# Altium PCB BB.PcbDoc (part 5 of 5) (continued)
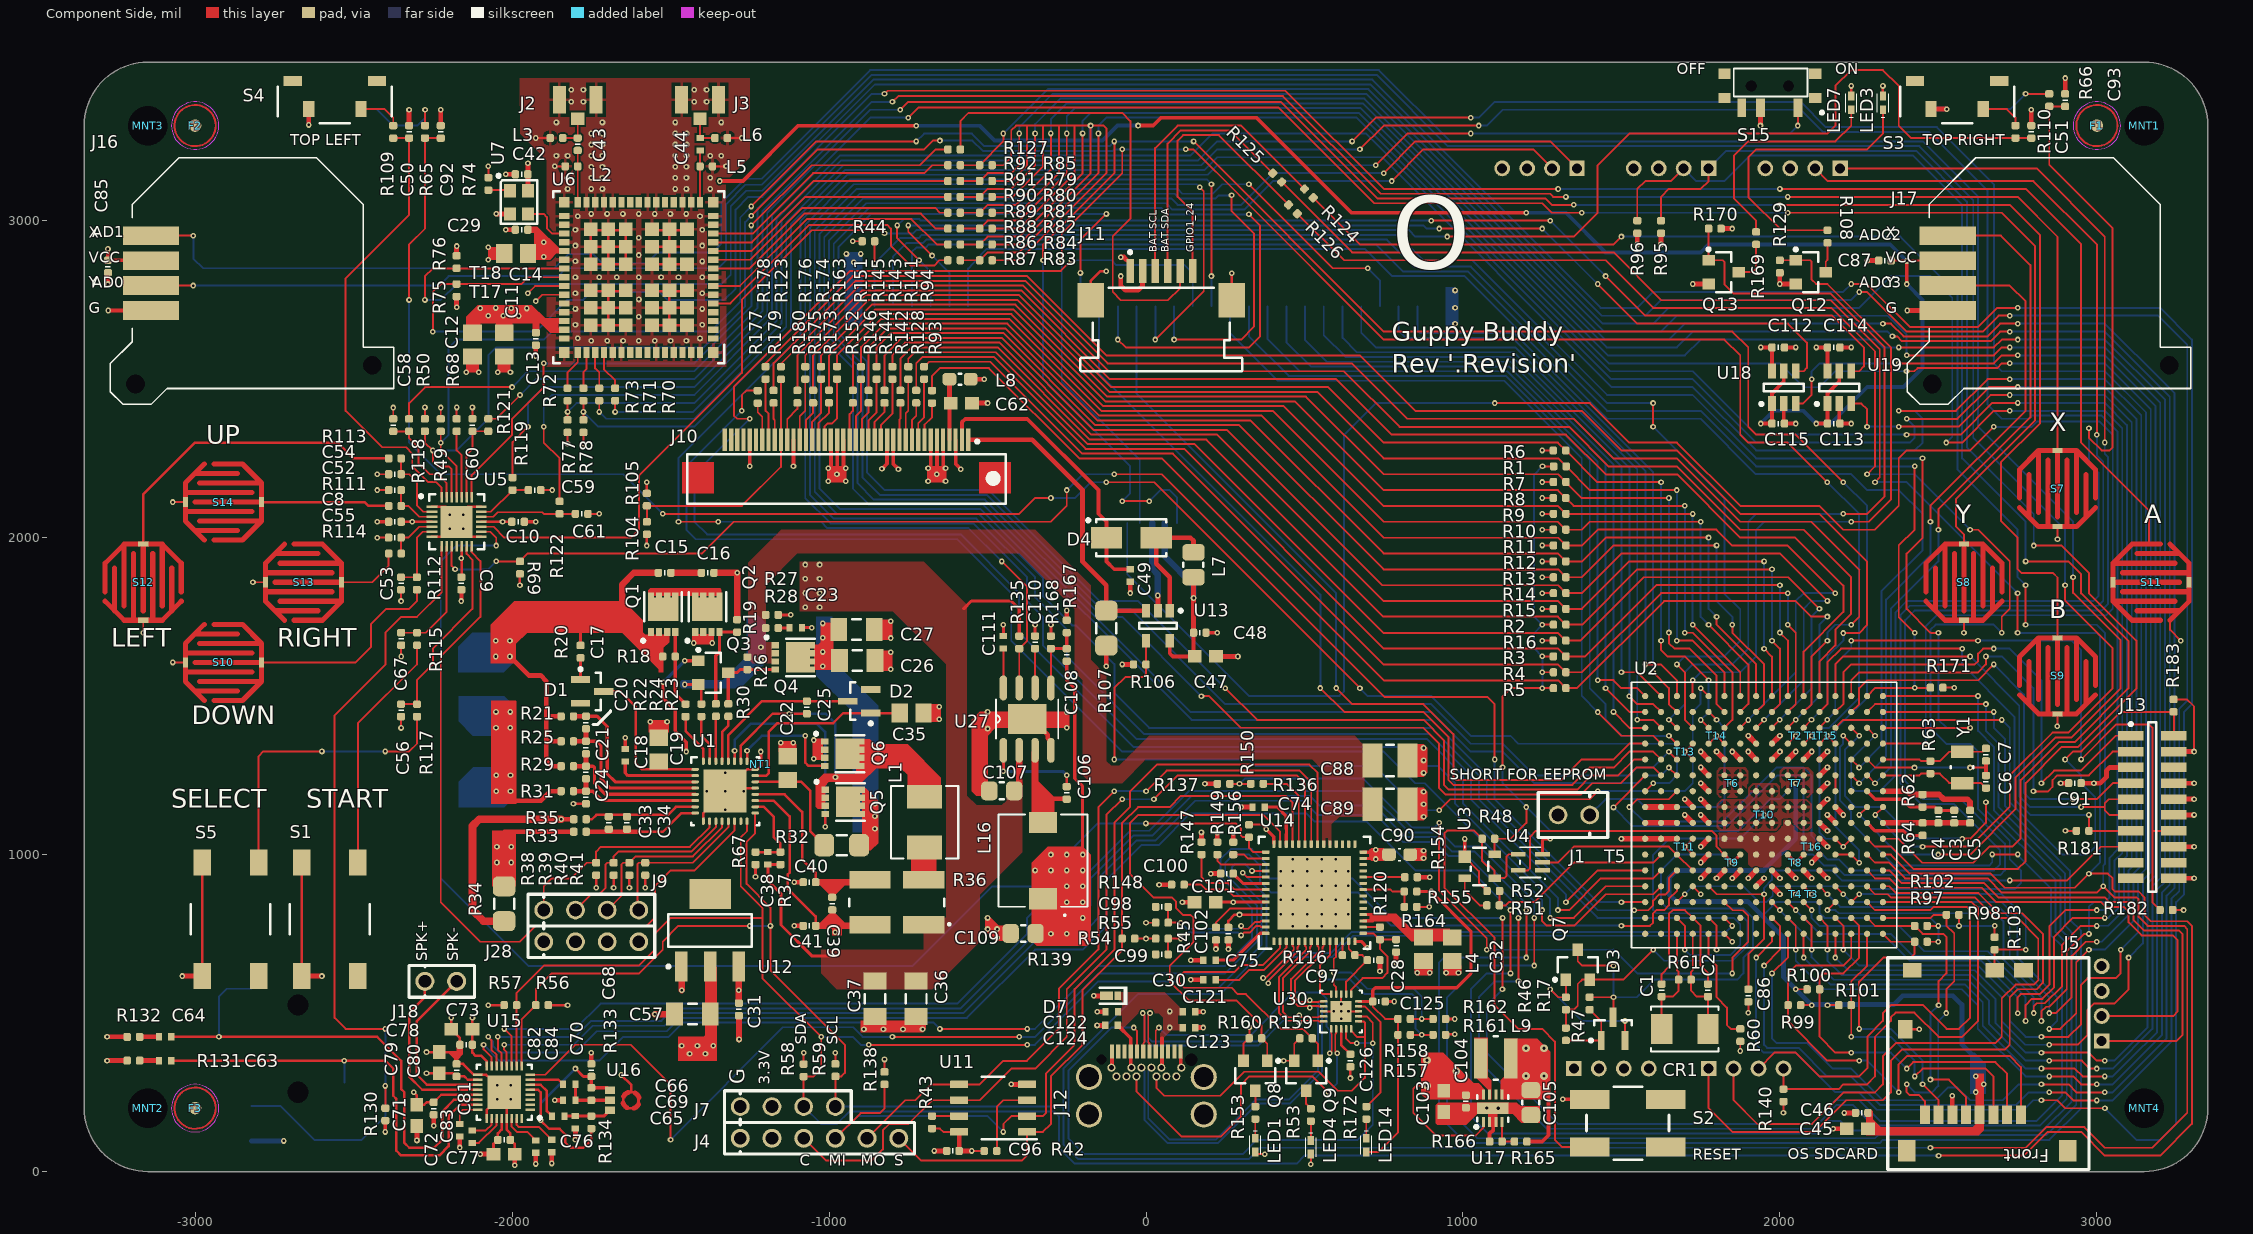
[diagram p0: Component Side view]
## Nets (pads, with @x,y where several pads share a name; then routed paths per layer and width w, separated by ;. In a path a pad name is that pad's centre, name@x,y a point inside that pad or via, vN(x,y) a via of type N, cw(c..) or ccw(c..) an arc to the next point about the centre after c; other vN are vias at no path point) (continued)
  Component Side w20: C16.1@-1363.11,1888.98 v1(-1290,1888.98) R19.1@-1290,1741.34 ; C107.2@-420,1197.5 -417.09,1200.41 -416.1,1201.4 -400,1217.5 U27.2@-400,1329.07
  other v1: -1427.09,1667.52 -1368.03,1667.52 -1075,1780 -1030,1780 -1075,1825 -1030,1825 -1075,1870 -1030,1870 -1075,1915 -1030,1915
WARM_RST_N: R51.2 R52.1 U2.R11 | length 621.3
  Component Side w6: R52.1@1115,885 R51.2@1115,840 1135,840 1145,850 1225,850 1350,975 1600,975 U2.R11@1625,1000
WIFI_DEV_IRQ: R92.2 U6.14 | length 829.1
  Component Side w6: U6.14@-1364.76,2959.23 -1240.77,2959.23 -1050,3150 -700,3150 -675,3175 R92.2@-625,3175
WIFI_IRQ: R85.2 R92.1 U2.H14 | length 7766.9
  Component Side w6: R92.1@-585.63,3175 R85.2@-525,3175 -450.17,3249.83 ; -450.16,3249.82 v1(-450.16,3275) ; U2.H14@1975,850 v1(2000,825) ; v1(2525,2300) 2574.75,2300 2574.9,2299.85 2675.05,2400 v1(2725,2400) ; v1(2750,499.63) 2750,550 2759.67,559.67 2819.67,559.67 2850.79,590.79 2850.79,775.57 2900.22,825 v1(3000,825)
  Solder Side w6: v1@-450.08,3274.92 -310,3415 701.78,3415 1441.78,2675 1599.8,2675 1649.8,2725 2250,2725 2350.2,2825.2 2474.8,2825.2 2543.7,2756.3 2543.7,2318.7 v1(2525,2300) ; v1(2000,825) 2100,725 2350,725 2410,665 2635,665 2749.89,550.11 v1@2749.89,499.52 ; v1(2725,2400) 3025,2400 3080,2345 3080,1004.98 3055,979.98 3055,850.2 3029.8,825 v1(3000,825)
WIFI_SDIO_CLK: R86.2 U6.8 | length 860.4
  Component Side w6: U6.8@-1364.76,2793.88 -1281.13,2793.88 -1070,3005 -740,3005 -660,2925 R86.2@-625,2925
WIFI_SDIO_CMD: R87.2 U6.6 | length 934.4
  Component Side w6: U6.6@-1364.76,2738.76 -1311.24,2738.76 -1063.21,2986.79 -816.79,2986.79 -805,2975 -805,2921.2 -741.8,2858 -668.54,2858 -651.54,2875 R87.2@-625,2875
WIFI_SDIO_DAT0: R88.2 U6.10 | length 831
  Component Side w6: U6.10@-1364.76,2849 -1251,2849 -1077.84,3022.16 -710.37,3022.16 -663.21,2975 R88.2@-625,2975
WIFI_SDIO_DAT1: R89.2 U6.11 | length 813.7
  Component Side w6: U6.11@-1364.76,2876.56 -1248.44,2876.56 -1085,3040 -665,3040 -650,3025 R89.2@-625,3025
WIFI_SDIO_DAT2: R90.2 U6.12 | length 810.5
  Component Side w6: U6.12@-1364.76,2904.11 -1245.89,2904.11 -1075,3075 R90.2@-625,3075
WIFI_SDIO_DAT3: R91.2 U6.13 | length 819.8
  Component Side w6: U6.13@-1364.76,2931.67 -1243.31,2931.67 -1049.98,3125 R91.2@-625,3125
WLAN_EN: R76.1 U2.H16 U6.40 | length 11326.4
  Component Side w6: v1(-2275,2750) -2275,2824.69 -2250.69,2849 U6.40@-1835.24,2849 ; v1(1925,675) 1975,725 U2.H16@1975,750 ; v1(2224.67,2800.2) 2274.47,2800.2 2409.67,2665 2625,2665 2685,2725 v1(2750,2725) ; v1(2825,225) 2875.02,225 2900.41,199.61 v1(3025.33,199.61)
  Solder Side w6: v1(-2275,2750) -2225,2750 -2175,2800 -1340,2800 -1310,2830 -1310,3045 -1260.46,3094.54 -1210.46,3094.54 -860,3445 714.2,3445 1434.2,2725 1550,2725 1600,2775 2199.47,2775 v1(2224.67,2800.2) ; v1(1925,675) 1925,399.76 1949.67,375.1 2049.39,375.1 2173.82,250.67 2249.33,250.67 2305,195 2770,195 2800,225 v1(2825,225) ; v1(2750,2725) 3200,2725 3300,2625 3300,1475 3275,1450 3275,875 3250,850 3250,150 3200,100 3124.94,100 v1(3025.33,199.61)
pads on no net: D1.2 D2.2 F1.0 F2.0 F3.0 J5.S J6.23 J6.24 J6.25 J8.MP1 J8.MP2 J10.35 J10.37 J10.38 J10.39 J10.40 J12.A2 J12.A3 J12.A10 J12.A11 J12.B2 J12.B3 J12.B10 J12.B11 J12.M J13.6 J13.17 J13.18 J13.19 J14.MNT J15.MNT J16.M J17.M J19. J19.5 J19.6 J25.2 MNT1.MOUNT MNT2.MOUNT MNT3.MOUNT MNT4.MOUNT S1.2 S2.1 S2.4 S3.M S4.M S5.2 S6.M S15.0 S15.3 S15.M S16.M U2.B4 U2.D5 U2.D12 U2.E14 U2.E16 U2.H6 U2.J6 U2.J14 U2.J15 U2.J16 U2.K4 U2.K13 U2.K14 U2.K15 U2.K16 U2.L13 U2.M14 U2.N2 U2.N6 U2.N7 U2.N14 U2.R7 U2.R14 U2.R15 U2.R16 U2.T11 U2.T15 U2.T16 U4.1 U5.11 U6.2 U6.3 U6.4 U6.5 U6.21 U6.22 U6.25 U6.26 U6.27 U6.56 U6.57 U6.58 U6.60 U6.62 U12.4 U14.1 U14.25 U14.29 U14.30 U14.31 U14.32 U15.1 U15.2 U15.3 U15.4 U15.32 U17.6 U30.21@596.61,486.3 U30.21@596.61,523.7 U30.21@634.02,486.3 U30.21@634.02,523.7

## Polygon pours and split planes (outlines as drawn)
VSYS on Component Side "Component Side-VSYS" (solid, pour order 37): -1025,700 -1025,624.92 -975.08,575 -675.02,575 -525,725.02 -525,872.76 -390,1007.76 -390,1228.58 -431.42,1228.58 -440,1220 -440,1170.16 -455.16,1155 -533.7,1155 -565,1186.3 -565,1788.18 -701.46,1924.64 -1092.52,1924.64 -1092.52,1768.21 -798.25,1768.21 -630,1599.96 -630,800.67 -701.46,800.67 -701.46,699.8 -1024.53,699.8
VBUS on Component Side "VBUS_L01_P027" (solid, pour order 27): -85,454.21 -85,470 -75,469.76 -75,492.88 -85,492.88 -85,515 -75,515 -75,540.82 -85,540.82 -85,565 58.62,565 110,515 110,492.88 100,492.88 100,465.47 110,465 110,445 80,445 55,420 45,420 45,436.65 55,446.65 55,485 40,500 -25,500 -70.79,454.21
V_USB_HV on Component Side "V_USB_HV_L01_P025" (solid, pour order 25): 556.85,1166.54 556.85,1267.83 524.68,1300 -0.08,1300 -75,1225.08 -175.08,1225 -200.08,1250 -200.08,1550.23 -225,1575.15 -225,1776.05 -226.05,1776.05 -400,1950 -1100,1950 -1199.7,1849.92 -1199.7,1670 -1180,1670 -1180,1603.58 -1242.13,1603.55 -1255,1616.42 -1255,1920 -1150,2025 -350.08,2025 -175,1849.92 -175.07,1614.09 -125,1564.02 -125,1295 -110,1280 -85.15,1280 9.85,1375 658.19,1375 689.06,1344.13 689.06,1120 610,1120 585,1095 585,1030 575,1030 575,1052.83 565,1052.83 565,1030 556.85,1030
GND on Component Side "GND_L01_P021" (solid, remove dead copper, pour order 21): -1890,2539.37 -1890,3190 -1975,3275 -1975.18,3450 -1250,3450 -1250,3200 -1325.23,3124.77 -1324.97,2539.37
SYS_VDD_1P8V on Component Side "SYS_VDD_1P8V_L01_P015" (solid, pour order 15): 2105,1010 2114.98,1019.98 2115,1059.7 2104.7,1070 2055,1070 2045,1080 2045,1115 2040,1120 2009.95,1120 2005,1115 2005,1085 1990,1070 1810,1070 1800,1060 1800,1035 1815.02,1019.98 1885.02,1019.98 1900,1005 1900,970 1910,960 2000,960 2005,965 2005,1005.02 2009.95,1010
SYS_VDD1_3P3V on Component Side "SYS_VDD1_3P3V_L01_P014" (solid, pour order 14): 2105,1260 2090,1275 2010,1275 2000,1265 2000,1230 2005,1225 2005,1195 2020,1180 2090,1180 2105,1195
SYS_VOUT on Component Side "SYS_VOUT_L01_P013" (solid, pour order 13): 1890,1275 1900,1265 1900,1225 1895,1220 1895,1190 1885,1180 1810,1180 1800,1190 1800,1265 1810,1275
SYS_VDD3_3P3V on Component Side "SYS_VDD3_3P3V_L01_P016" (solid, pour order 16): 2100,1085 2100,1160 2085,1175 2015,1175 2000,1190 2000,1215 1990,1225 1915,1225 1900,1210 1900,1185 1890,1175 1815,1175 1800,1160 1800,1085 1810,1075 1990,1075 2005,1090 2005,1110 2010,1115 2035,1115 2040,1110 2040,1100 2065,1075 2090,1075
BGND on Solder Side "BGND_L04_P039" (solid, pour order 39): -2165,1085 -2165,914.82 -1925.18,675 -775,675 -620.18,829.82 -620.18,1745.18 -825,1950 -1426.38,1950 -1775,1601.38 -1775,1225 -1915,1085
USB_3V3 on Solder Side "USB_3V3_L04_P033" (solid, remove dead copper, pour order 33): -525,150 -525,50 -550,25 -1200,25 -1225,50 -1225,325 -1125,425 -599.84,425 102.32,1127.17 822.83,1127.17 1100,850 1099.98,794.35 1065.63,760 825,760 560.33,1024.67 375,1024.67 250,1025 225,1000 225,924.74 334.41,815.33 334.41,734.41 248.11,648.11 -152.1,648.11 -350.22,450 -350.22,150
V1P8 on Solder Side "Solder Side-V1P8" (solid, pour order 31): -1350,440 -1440.2,440 -1471.15,440 -1761.15,150 -2075,150 -2125.06,200.06 -2125.06,625.06 -3120.01,1620.01 -3120.01,2940 -3080.01,2980 -1955,2980 -1925,2950 -1925,2860 -1875,2860 -1830,2905 -1560,2905 -1540,2925 -1408.09,2925 -1305,3089.01 -1305,3148.77 -1305,3215 -3049.97,3215 -3300.01,2965 -3300.01,1525.01 -2375,600 -2375,195 -2230,50 -1650,50 -1350,350
VBUS on Solder Side "VBUS_L04_P029" (solid, pour order 29): 55,459.92 74.92,440 340,440 550,650 650,650 700,600 899.67,600 915,615.33 915,684.67 884.86,714.8 539.34,714.8 374.54,550 73.66,550 55,531.34
VSYS on Solder Side "VSYS_L04_P023" (solid, pour order 23): -1425,1625 -1449.67,1649.67 -1450,1825 -1350,1925 -1299.89,1925.11 -999.72,1925.04 -999.72,1770 -1280,1770 -1325,1725 -1325,1650 -1350,1625
GND on Ground Plane (split plane): -3150,3479.9 3150,3479.9 3150.71,3479.97 3161.77,3479.61 3173.49,3478.46 3185.12,3476.54 3196.59,3473.86 3207.86,3470.44 3218.88,3466.29 3229.61,3461.43 3240,3455.88 3250,3449.66 3259.57,3442.8 3268.68,3435.33 3277.28,3427.28 3285.33,3418.68 3292.8,3409.57 3299.66,3400 3305.88,3390 3311.43,3379.61 3316.29,3368.88 3320.44,3357.86 3323.86,3346.59 3326.54,3335.12 3328.46,3323.49 3329.61,3311.77 3329.97,3300.71 3329.9,3300 3329.9,200 3329.97,199.29 3329.61,188.23 3328.46,176.51 3326.54,164.88 3323.86,153.41 3320.44,142.14 3316.29,131.12 3311.43,120.39 3305.88,110 3299.66,100 3292.8,90.43 3285.33,81.32 3277.28,72.72 3268.68,64.67 3259.57,57.2 3250,50.34 3240,44.12 3229.61,38.57 3218.88,33.7 3207.86,29.56 3196.59,26.14 3185.12,23.46 3173.49,21.54 3161.77,20.39 3150.71,20.03 3150,20.1 -3149.99,20.1 -3150,20.1 -3150.71,20.03 -3161.77,20.39 -3173.49,21.54 -3185.12,23.46 -3196.59,26.14 -3207.86,29.56 -3218.88,33.71 -3229.61,38.57 -3240,44.12 -3250,50.34 -3259.57,57.2 -3268.68,64.67 -3277.28,72.72 -3285.33,81.32 -3292.8,90.43 -3299.66,100 -3305.88,110 -3311.43,120.39 -3316.3,131.12 -3320.44,142.14 -3323.86,153.41 -3326.54,164.88 -3328.46,176.51 -3329.61,188.23 -3329.97,199.29 -3329.9,200 -3329.9,3300 -3329.97,3300.71 -3329.61,3311.77 -3328.46,3323.49 -3326.54,3335.12 -3323.86,3346.59 -3320.44,3357.86 -3316.29,3368.88 -3311.43,3379.61 -3305.88,3390 -3299.66,3400 -3292.8,3409.57 -3285.33,3418.68 -3277.28,3427.28 -3268.68,3435.33 -3259.57,3442.8 -3250,3449.66 -3240,3455.88 -3229.61,3461.43 -3218.88,3466.3 -3207.86,3470.44 -3196.59,3473.86 -3185.12,3476.54 -3173.49,3478.46 -3161.77,3479.61 -3150.71,3479.97
V3P3 on Power Plane (split plane): -3150,3479.9 3150,3479.9 3150.71,3479.97 3161.77,3479.61 3173.49,3478.46 3185.12,3476.54 3196.59,3473.86 3207.86,3470.44 3218.88,3466.29 3229.61,3461.43 3240,3455.88 3250,3449.66 3259.57,3442.8 3268.68,3435.33 3277.28,3427.28 3285.33,3418.68 3292.8,3409.57 3299.66,3400 3305.88,3390 3311.43,3379.61 3316.29,3368.88 3320.44,3357.86 3323.86,3346.59 3326.54,3335.12 3328.46,3323.49 3329.61,3311.77 3329.97,3300.71 3329.9,3300 3329.9,200 3329.97,199.29 3329.61,188.23 3328.46,176.51 3326.54,164.88 3323.86,153.41 3320.44,142.14 3316.29,131.12 3311.43,120.39 3305.88,110 3299.66,100 3292.8,90.43 3285.33,81.32 3277.28,72.72 3268.68,64.67 3259.57,57.2 3250,50.34 3240,44.12 3229.61,38.57 3218.88,33.7 3207.86,29.56 3196.59,26.14 3185.12,23.46 3173.49,21.54 3161.77,20.39 3150.71,20.03 3150,20.1 -3149.99,20.1 -3150,20.1 -3150.71,20.03 -3161.77,20.39 -3173.49,21.54 -3185.12,23.46 -3196.59,26.14 -3207.86,29.56 -3218.88,33.71 -3229.61,38.57 -3240,44.12 -3250,50.34 -3259.57,57.2 -3268.68,64.67 -3277.28,72.72 -3285.33,81.32 -3292.8,90.43 -3299.66,100 -3305.88,110 -3311.43,120.39 -3316.3,131.12 -3320.44,142.14 -3323.86,153.41 -3326.54,164.88 -3328.46,176.51 -3329.61,188.23 -3329.97,199.29 -3329.9,200 -3329.9,3300 -3329.97,3300.71 -3329.61,3311.77 -3328.46,3323.49 -3326.54,3335.12 -3323.86,3346.59 -3320.44,3357.86 -3316.29,3368.88 -3311.43,3379.61 -3305.88,3390 -3299.66,3400 -3292.8,3409.57 -3285.33,3418.68 -3277.28,3427.28 -3268.68,3435.33 -3259.57,3442.8 -3250,3449.66 -3240,3455.88 -3229.61,3461.43 -3218.88,3466.3 -3207.86,3470.44 -3196.59,3473.86 -3185.12,3476.54 -3173.49,3478.46 -3161.77,3479.61 -3150.71,3479.97
V1P8 on Power Plane (split plane): -2121.8,368.2 -2120.98,367.64 -2120,367.45 -1830,367.45 -1829.02,367.64 -1828.2,368.2 -1748.94,447.45 -1352.55,447.45 -1352.55,350.54 -1424.49,278.6 -1825,278.6 -1873.2,326.8 -1874.02,327.36 -1875,327.55 -2148.79,327.55 -2248.04,426.8 -2248.87,427.36 -2249.84,427.55 -2300.16,427.55 -2301.13,427.36 -2301.96,426.8 -2326.8,401.96 -2327.35,401.13 -2327.55,400.16 -2327.55,310 -2327.35,309.02 -2326.8,308.2 -2258.6,240 -2296.77,201.84 -2333.98,201.84 -2357.45,225.31 -2357.45,438.94 -2323.94,472.45 -2226.06,472.45
V5P0 on Power Plane (split plane): 1047.45,2799.14 1047.45,2651.06 148.94,1752.55 -125.08,1752.55 -126.05,1752.35 -126.88,1751.8 -176.8,1701.88 -177.35,1701.05 -177.55,1700.08 -177.55,1099.92 -177.35,1098.95 -176.8,1098.12 -127.63,1048.94 -127.63,700 -127.43,699.02 -126.88,698.2 23.12,548.2 23.95,547.64 24.92,547.45 298.94,547.45 523.2,323.2 524.02,322.64 525,322.45 775.32,322.45 776.29,322.64 777.12,323.2 851.37,397.45 1025,397.45 1025.98,397.64 1026.8,398.2 1151.65,523.04 1325.59,523.04 1326.57,523.24 1327.39,523.79 1426.8,623.2 1427.35,624.02 1427.55,625 1427.55,1068.94 1461.06,1102.45 1543.94,1102.45 1572.45,1073.94 1572.45,850 1572.65,849.02 1573.2,848.2 1583.2,838.2 1584.02,837.64 1585,837.45 1859.02,837.45 1897.45,799.02 1897.45,726.06 1848.2,676.8 1603.94,432.55 1180,432.55 1179.02,432.36 1178.2,431.8 948.94,202.55 401.41,202.55 190.27,413.69 189.44,414.25 188.46,414.44 -638.31,414.44 -639.28,414.24 -640.11,413.69 -749.82,303.98 -1298.57,303.98 -1299.54,303.79 -1300.37,303.24 -1411.06,192.55 -2203.94,192.55 -2322.45,311.06 -2322.45,399.1 -2299.1,422.45 -2250.9,422.45 -2151.65,323.2 -2150.82,322.64 -2149.84,322.45 -1876.06,322.45 -1827.86,274.25 -1827.03,273.7 -1826.06,273.51 -1423.43,273.51 -1422.46,273.7 -1421.63,274.25 -1348.2,347.69 -1347.64,348.51 -1347.45,349.49 -1347.45,583.94 -1333.94,597.45 -1126.06,597.45 -1076.8,548.2 -1075.98,547.64 -1075,547.45 -824.9,547.45 -823.92,547.64 -823.1,548.2 -295.65,1075.65 -295.1,1076.47 -294.9,1077.45 -294.9,1304.43 -294.9,1646.49 -273.2,1668.2 -272.65,1669.02 -272.45,1670 -272.45,1740 -272.65,1740.98 -273.2,1741.8 -297.45,1766.06 -297.45,1799.36 -224.36,1872.45 150,1872.45 150.98,1872.65 151.8,1873.2 876.8,2598.2 877.35,2599.02 877.55,2600 877.55,2774.14 950.86,2847.45 999.14,2847.45
USB_V5P0 on Power Plane (split plane): 772.45,1023.94 772.45,716.06 718.94,662.55 678.06,662.55 652.55,688.06 652.55,723.95 676.8,748.19 677.35,749.02 677.55,750 677.55,1030.74 704.25,1057.45 738.94,1057.45

## Other copper
Component Side:
  region net HSRN: -1042.13,765.28 -989.84,765.28 -989.84,745.59 -960.31,745.59 -960.31,765.28 -889.45,765.28 -889.45,784.96 -950.47,784.96 -980.51,815 -997.46,815 -1027.5,784.96 -1042.13,784.96
  region net HSRP: -1042.13,922.76 -889.45,922.76 -889.45,903.07 -950.47,903.07 -983.35,870.2 -995.2,870.2 -1028.07,903.07 -1042.13,903.07
  region net GND: 993.86,649.29 993.86,625.67 987.95,619.76 944.65,619.76 938.74,625.67 938.74,649.29
  region net VBUS: 903.31,649.29 903.31,625.67 897.4,619.76 854.09,619.76 848.19,625.67 848.19,649.29
  region net GND: 848.19,1020.39 875.75,1020.39 883.62,1012.52 883.62,984.96 879.69,981.02 848.19,981.02
  region net GND: -2105.12,2566.44 -2105.12,2521.44 -2145,2521.44 -2145,2566.44
  region net GND: -2005.12,2566.44 -2005.12,2521.44 -2045,2521.44 -2045,2566.44
  region net GND: -944.96,2225 -1004.96,2225 -1004.96,2180 -999.96,2175 -949.92,2175 -944.96,2179.96
  region net GND: -630,2225 -690,2225 -690,2180 -685,2175 -634.96,2175 -630,2179.96
  region net GND: -2175,395 -2175,381.93 -2176.93,380 -2200,380 -2200,373.07 -2182.5,355.57 -2182.5,339.37 -2170,339.37 -2170,355 -2155,370 -2155,395
  region net V1P8: -1390,646.65 -1390,430 -1395,425 -1475,425 -1475,349.49 -1355,349.49 -1355,647.24
  region net SYS_VDD1_3P3V: 2642.87,308.07 2642.87,130 2627.87,115 2272.87,115 2272.87,155 2272.87,195 2287.87,195 2292.87,190 2292.87,165 2317.87,140 2607.87,140 2617.87,150 2617.87,308.07
  region net NetC32_2: 706.46,789.06 773.39,789.05 836.38,726.06 958.43,726.06 958.43,765.43 836.38,765.43 789.13,812.68 706.46,812.68
  region net GND: 856.06,1348.11 875.75,1348.11 887.56,1336.3 887.56,1257.56 875.75,1245.75 856.06,1245.75
  region net GND: 856.06,1210.31 875.75,1210.31 887.56,1198.5 887.56,1119.76 875.75,1107.95 856.06,1107.95
  region net USB_V5P0: 710,1020 750,1020 750,980.43 710,980.43 705,985 705,1015
  region net V3P3: -1845,2646.44 -1880,2646.44 -1910,2676.44 -1915,2676.44 -1915,2646.44 -1935,2646.44 -1935,2676.44 -2000,2676.44 -2000,2666.44 -2050,2666.44 -2050,2676.44 -2100,2676.44 -2100,2669.86 -2145,2669.86 -2145,2696.44 -2107.68,2733.76 -1937.32,2733.76 -1895,2691.44 -1845,2691.44 -1845,2676.44 -1855,2676.44 -1855,2661.44 -1845,2661.44
  region net GND: -2030,2876.56 -2075,2876.56 -2075,2916.44 -2030,2916.44
  region net V1P8: -1825,2896.44 -1860,2896.44 -1880,2876.44 -1930,2876.44 -1930,2961.44 -1950,2961.44 -1950,2981.44 -1920,2981.44 -1850,2911.44 -1825,2911.44
  region net GND: -900,475 -900,440.04 -703.35,440.04 -695,450 -695,475
  region net BGND: -1158.39,1324.02 -1158.39,1347.64 -1148.11,1357.91 -1113.54,1357.91 -1103.27,1347.64 -1103.27,1324.02
  region net NetL1_1: -662.09,986.93 -662.09,920 -740.83,920 -740.83,986.93
  region net BGND: -838.7,1579.92 -810.08,1579.92 -800.24,1589.76 -800.24,1633.07 -810.08,1642.91 -838.7,1642.91
  region net BGND: -838.7,1678.35 -810.08,1678.35 -800.24,1688.19 -800.24,1731.5 -810.08,1741.34 -838.7,1741.34
  region net NetC26_2: -1046.46,1583.86 -991.34,1583.86 -987.4,1587.8 -987.4,1725.59 -993.31,1731.5 -1016.93,1731.5 -1026.77,1721.65 -1026.77,1670.47 -1034.65,1662.6 -1046.46,1662.6
  region net PH: -1012.72,1144.88 -1036.34,1144.88 -1042.24,1150.79 -1042.24,1229.53 -1016.65,1255.12 -918.23,1255.12 -914.29,1259.06 -914.29,1363.39 -870.98,1363.39 -855.24,1347.64 -752.24,1347.64 -647.68,1243.07 -647.68,1217.72 -752.24,1217.72 -752.24,1251.77 -773.31,1272.83 -851.3,1272.83 -894.61,1229.53 -1000.91,1229.53 -1012.72,1217.72
  region net GND: -1020.59,1298.43 -1044.21,1298.43 -1052.09,1306.3 -1052.09,1357.48 -1044.21,1365.35 -1020.59,1365.35
  region net NetC26_2: -894.61,1209.84 -884.76,1209.84 -845.39,1170.47 -845.39,1036.06 -868.46,1012.99 -914.29,1012.99 -914.29,1052.36 -898.54,1052.36 -894.61,1056.3
  region net BGND: -680.75,1474.09 -657.13,1474.09 -646.85,1463.82 -646.85,1429.25 -657.13,1418.98 -680.75,1418.98
  region net NetC15_2: -1504.84,1694.09 -1504.84,1670.47 -1522.68,1652.64 -1522.68,1575 -1537.68,1575 -1537.68,1584.76 -1652.91,1700 -1952.68,1700 -1987.68,1665 -1987.68,1603.54 -2067.68,1603.54 -2067.68,1725 -1992.68,1800 -1647.68,1800 -1587.68,1740 -1587.68,1702.13 -1579.65,1694.09
  region net VSYS: -1364.09,1695.08 -1364.09,1671.46 -1371.97,1663.58 -1423.15,1663.58 -1431.02,1671.46 -1431.02,1695.08
  region net BGND: -1987.68,1075 -1987.68,900 -2062.68,900 -2062.68,1075
  region net NetJ14_2: -2065.87,1160.63 -2065.87,1485.43 -1989.09,1485.43 -1987.13,1483.46 -1987.13,1160.63
  region net NetQ1_5: -1339.49,1816.14 -1569.8,1816.14 -1569.8,1833.86 -1563.9,1839.76 -1343.43,1839.76 -1339.49,1835.83
  region net BGND: -1506.14,1385.51 -1506.14,1414.13 -1515.98,1423.98 -1559.29,1423.98 -1569.13,1414.13 -1569.13,1385.51
  region net NetC6_1: 2655,1295.63 2655,1250 2645,1250 2645,1295.63
  region net V3P3: 1119.15,227.61 1119.15,287.61 1130.15,298.61 1130.15,419.61 1234.35,419.61 1275.75,378.21 1275.75,227.61
  region net NetL9_1: 1079.15,227.61 1079.15,258.61 1035.15,302.61 1035.15,421.61 1078.15,421.61 1078.15,298.61 1089.15,287.61 1089.15,227.61
  region net V5P0: 1069.15,227.61 885.15,227.61 868.99,243.77 868.98,363.46 880.29,374.77 938.2,374.77 1034.36,278.61 1049.15,278.61 1069.15,258.61
  region net GND: 1108.15,140.61 1108.15,181.61 1157.15,181.61 1184.15,154.61 1242.15,154.61 1242.15,205.61 1182.15,205.61 1170.15,217.61 922.15,217.61 914.15,209.61 914.15,151.61 918.15,147.61 1010.15,147.61 1045.15,182.61 1046.15,181.61 1079.15,181.61 1079.15,140.61
  region net V5P0: -360,727.78 -345,712.78 -185,712.78 -175,722.78 -175,1000 -200,1025 -310,1025 -360,975
  region net GND: -425,727.5 -475,727.5 -507.5,760 -507.5,800 -490,800 -465,775 -425,775
  region net GND: -242.5,1400 -475,1400 -500,1375 -500,1185 -535,1185 -550,1200 -550,1425 -525,1450 -242.5,1450
  region net NetC106_1: -360,1325 -360,1075 -290,1075 -290,1170 -250.08,1170 -250.08,1182.4 -291.1,1182.4 -340,1231.3 -340,1325
Solder Side:
  region net V_USB_HV: -1470,1530 -1465,1525 -1280,1525 -1199.8,1605.2 -1199.8,1729.8 -1225,1755 -1260,1755 -1260,1625 -1335,1550 -1465,1550 -1470,1545
  region net NetC26_2: -925,1070 -925,1450 -1040,1565 -1040,1750 -990,1750 -990,1615 -845,1470 -845,1070
  region net SYS_VDD1_3P3V: 2600,245 2600.3,375 2614.9,375 2650,340.59 2650,245
  region net GND: -895,2670 -950,2670 -950,2900 -895,2900
  region net V5P0: 945,2790 975,2790 985,2780 985,2675 975,2665 945,2665
  region net NetJ14_2: -2168.25,1150 -2168.25,1230 -2123.25,1275 -1994.23,1275 -1994.23,1180 -2024.23,1150
  region net NetJ14_2: -2169.02,1500 -2169.02,1420 -2124.02,1375 -1995,1375 -1995,1470 -2025,1500
  region net NetC15_2: -2170,1575 -2170,1655 -2125,1700 -1995.98,1700 -1995.98,1605 -2025.98,1575
Power Plane (plane layer: these items are gaps in the copper):
  lines w5: -2255,240 -2295.71,199.29 -2335.04,199.29 -2360,224.25 -2360,440 -2325,475 -2225,475 -2120,370 -1830,370 -1750,450 -1350,450 ; -2325,310 -2325,400.16 -2300.16,425 -2249.84,425 -2149.84,325 -1875,325 -1826.06,276.06 -1423.43,276.06 -1350,349.49 -1350,585 -1335,600 -1125,600 -1075,550 -824.9,550 -297.45,1077.45 -297.45,1304.43 -297.45,1647.55 -275,1670 -275,1740 -300,1765 -300,1800.41 -225.41,1875 150,1875 875,2600 875,2775.2 949.8,2850 1000.2,2850 1050,2800.2 1050,2650 150,1750 -125.08,1750 -175,1700.08 -175,1099.92 -125.08,1050 -125.08,700 24.92,550 300,550 525,325 775.32,325 850.32,400 1025,400 1150.59,525.59 1325.59,525.59 1425,625 1425,1070 1460,1105 1545,1105 1575,1075 1575,850 1585,840 1860.08,840 1900,800.08 1900,725 1850,675 1605,430 1180,430 950,200 400.35,200 188.46,411.89 -638.31,411.89 -748.76,301.43 -1298.57,301.43 -1410,190 -2205,190 -2325,310 ; 650,687 677.01,660 720,660 775,715 775,1025 740,1060 703.2,1060 675,1031.8 675,750 650,725 650,687

## Silkscreen, mask and mechanical layers (free items; w line width, h text height)
Top Overlay:
  lines w10: -1745,1410 -1730.87,1410 -1690,1450.87 -1690,1454.98
  text "OFF" at 1675.17,3450 h60
  text "ON" at 2175,3450 h60
  text "TOP LEFT" at -2700,3225 h60
  text "TOP RIGHT" at 2449.9,3225 h60
  text "AD1" at -3325,2935 h60
  text "ADC2" at 2250.39,2925 h60
  text "BAT SCL" at 41.26,2900 h40 r90
  text "BAT SDA" at 80,2900 h40 r90
  text "GPIO1_24" at 158.74,2900 h40 r90
  text "AD0" at -3325,2775 h60
  text "ADC3" at 2250.08,2775 h60
  text "O" at 775,2772.87 h393.7
  text "Guppy Buddy" at 775,2600 h100
  text "Rev" at 775,2500 h100
  text "'.Revision'" at 950,2500 h100
  text "X" at 2849.15,2315 h100
  text "UP" at -2965,2275 h100
  text "Y" at 2555,2025 h100
  text "A" at 3150,2025 h100
  text "B" at 2849.49,1724.66 h100
  text "LEFT" at -3265,1635 h100
  text "RIGHT" at -2741.65,1635 h100
  text "DOWN" at -3010,1390 h100
  text "SHORT FOR EEPROM" at 958.43,1223.27 h60
  text "SELECT" at -3075,1126.93 h100
  text "START" at -2650,1126.93 h100
  text "SPK+" at -2255,663.96 h60 r90
  text "SPK-" at -2157.5,663.48 h60 r90
  text "SDA" at -1060,400 h60 r90
  text "SCL" at -960,400 h60 r90
  text "G" at -1250,275 h80 r90
  text "3.3V" at -1175,274.51 h60 r90
  text "OS SDCARD" at 2025,25.63 h60
  text "RESET" at 1725,25 h60
  text "C" at -1092.52,5 h60
  text "MI" at -1000.51,5 h60
  text "MO" at -900.71,5 h60
  text "S" at -795,5 h60
Bottom Overlay:
  text "BOTTOM LEFT" at -2425,3225 h60
  text "BOTTOM RIGHT" at 2685,3225 h60
  text "G" at 1146.26,3065 h60 r90
  text "V3P3" at 1225,3065 h60 r90
  text "GPIO1_13" at 1303.74,3065 h60 r90
  text "GPIO1_12" at 1382.48,3065 h60 r90
  text "G" at 1561.26,3065 h60 r90
  text "V3P3" at 1640,3065 h60 r90
  text "I2C2_SDA" at 1718.74,3065 h60 r90
  text "I2C2_SCL" at 1797.48,3065 h60 r90
  text "G" at 1976.26,3065 h60 r90
  text "V3P3" at 2055,3065 h60 r90
  text "GPIO1_15" at 2133.74,3065 h60 r90
  text "GPIO1_14" at 2212.48,3065 h60 r90
  text "G" at -908.15,2625 h40 r90
  text "CART_DETECT_N" at -842.6,2625 h40 r90
  text "CART_REQ__N" at -783.54,2625 h40 r90
  text "SPI1_CS0" at -724.49,2625 h40 r90
  text "SPI1_MISO" at -665.43,2625 h40 r90
  text "SPI1_MOSI" at -606.38,2625 h40 r90
  text "SPI1_SCLK" at -547.32,2625 h40 r90
  text "I2C0_SDA" at -311.1,2625 h40 r90
  text "I2C0_SCL" at -252.05,2625 h40 r90
  text "GPIO0_27" at -192.99,2625 h40 r90
  text "GPIO0_26" at -133.94,2625 h40 r90
  text "GPIO0_23" at -74.88,2625 h40 r90
  text "GPIO0_22" at -15.83,2625 h40 r90
  text "GPIO1_16" at 43.23,2625 h40 r90
  text "GPIO1_18" at 102.28,2625 h40 r90
  text "GPIO1_19" at 161.34,2625 h40 r90
  text "GPIO1_22" at 220.39,2625 h40 r90
  text "MMC1_DAT7" at 279.45,2625 h40 r90
  text "MMC1_DAT6" at 338.5,2625 h40 r90
  text "MMC1_DAT5" at 397.56,2625 h40 r90
  text "MMC1_DAT4" at 456.61,2625 h40 r90
  text "MMC1_DAT3" at 515.67,2625 h40 r90
  text "MMC1_DAT2" at 574.72,2625 h40 r90
  text "MMC1_DAT1" at 633.78,2625 h40 r90
  text "MMC1_DAT0" at 692.83,2625 h40 r90
  text "MMC1_CLK" at 751.89,2625 h40 r90
  text "MMC1_CMD" at 810.94,2625 h40 r90
  text "MMC1_CLK" at 870,2625 h40 r90
  text "V5P0" at 940,2625 h40 r90
  text "INT0" at -72.86,2151.26 h40 r270
  text "I2C0_SCL" at -33.49,2151.26 h40 r270
  text "I2C0_SDA" at 84.63,2151.26 h40 r270
  text "G" at 2915,625.63 h60
  text "V3P3" at 2915,546.89 h60
  text "UART0_TX" at 2915,470.63 h60
  text "V3P3" at 1325,425 h60 r270
  text "V3P3" at 1485,425 h60 r270
  text "G" at 1563.74,425 h60 r270
  text "SCLK0" at 1755,425 h60 r270
  text "MISO0" at 1835,425 h60 r270
  text "MOSI0" at 1915,425 h60 r270
  text "CS0" at 1990,425 h60 r270
  text "UART0_RX" at 2915,391.89 h60
Top Solder:
  the board outline again, w6
Mechanical 2:
  the board outline again, w6
Mechanical 3:
  lines w5: -2993.78,1859.25 3266.06,1859.26 ; -2860.83,1726.3 -2860.83,1992.21 ; 2850.79,1683.98 2850.79,2034.53
  lines w10: 1775,3165 1953.78,3165

## Text inside footprints (layer, text, board x,y; h text height)
J5: Top Overlay "Front" at 2849.67,70 h40 r180
J6: Bottom Overlay "1" at 930.02,2843.97 h60
J14: Bottom Overlay "POS" at -2245.67,1568.74 h30 r270; Bottom Overlay "NEG" at -2245.67,1411.26 h30 r270
J15: Bottom Overlay "POS" at -2245.67,1148.74 h30 r270; Bottom Overlay "NEG" at -2245.67,991.26 h30 r270
J16: Top Overlay "Y" at -3336.03,2776.56 h60; Top Overlay "X" at -3336.03,2933.96 h60; Top Overlay "VCC" at -3336.03,2855.26 h60; Top Overlay "G" at -3336.03,2695.96 h60
J17: Top Overlay "G" at 2333.26,2695.96 h60; Top Overlay "VCC" at 2333.26,2855.26 h60; Top Overlay "X" at 2333.26,2933.96 h60; Top Overlay "Y" at 2333.26,2776.56 h60